# KiCad board !HDMI2USB.kicad_pcb (continued)
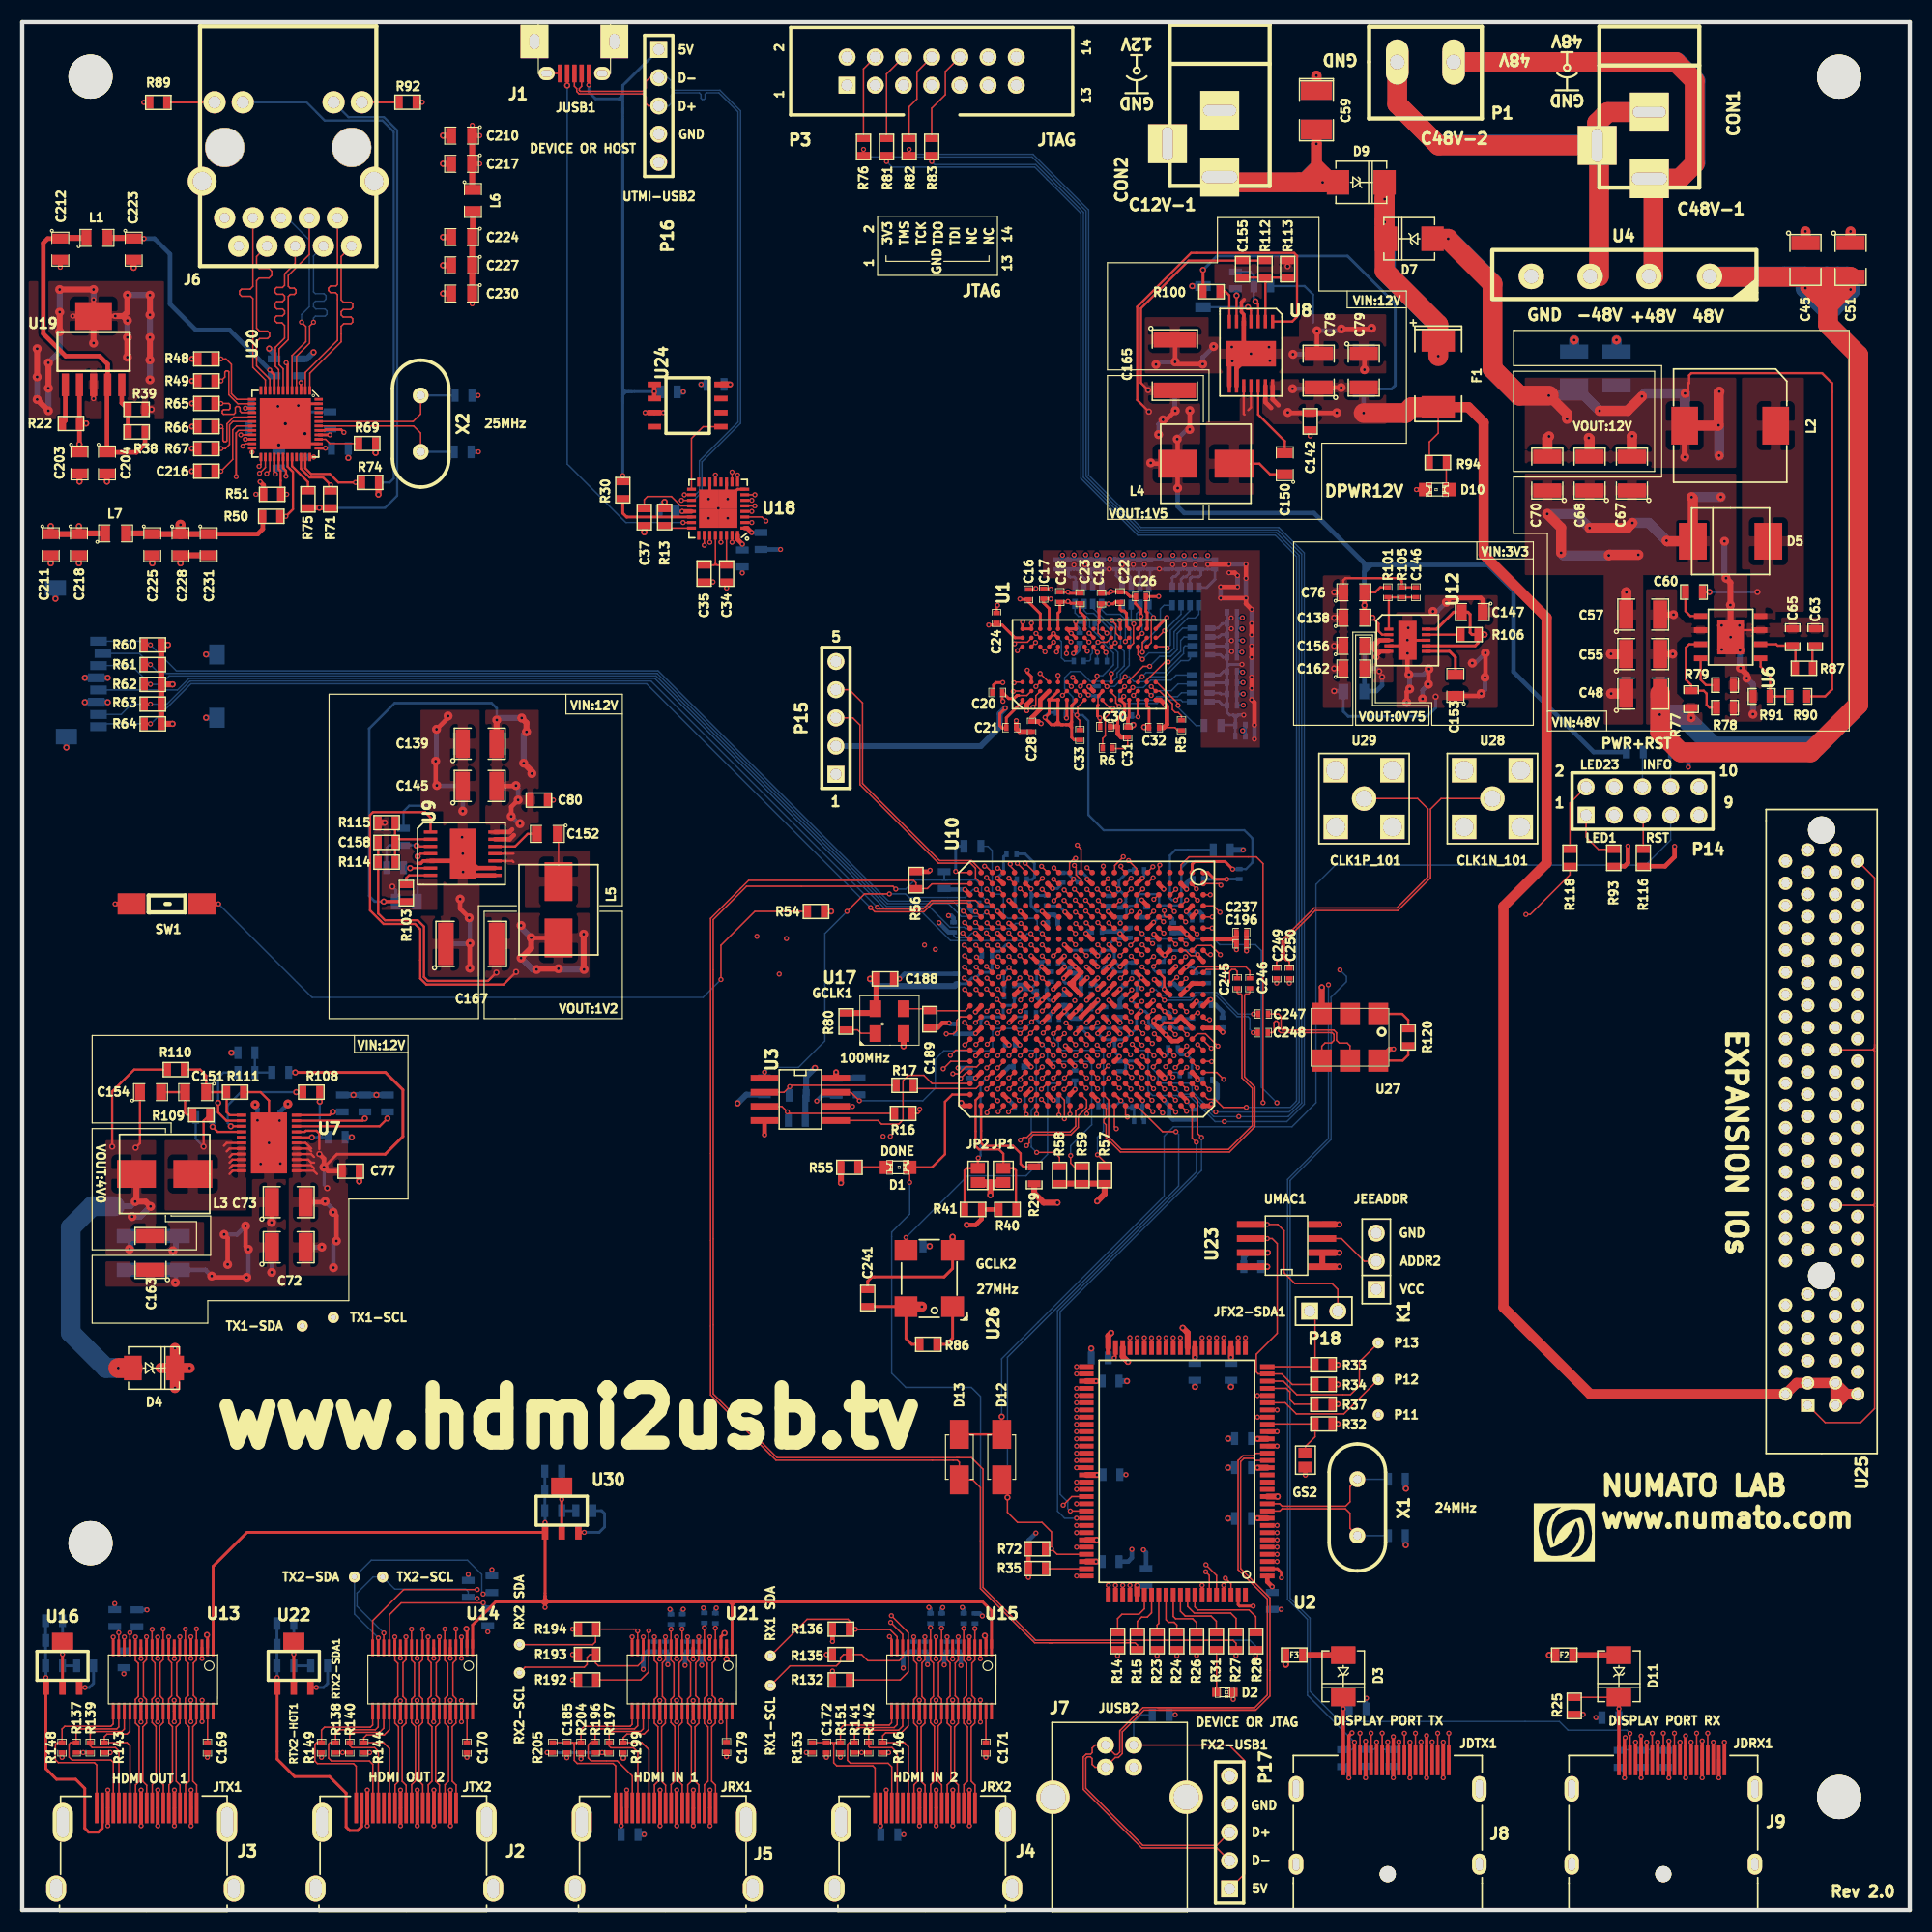
[diagram p0: board, top side]
## Routing (per net, layer and track width the routed paths; a pad name or vN(x,y) marks a point on that pad's centre or on a via; arc(x,y) is an arc through that point) (continued)
  TOP w0.305: v1(144.37,15.5) 144.3,15.44 144.3,13.7 ; 35.64,94.24 35.89,94.24 36.12,94.47 U9.5 ; 110.06,145.04 109.8,144.78 109.8,143.89 110.01,143.68 U8.5 ; v1(119.77,15.93) 119.48,15.65 J8.19 v1(119.48,11.89) ; 60.44,10.78 J5.5 60.44,7.57 ; v1(15.21,7.57) J3.2 15.21,10.78 ; 124.98,15.09 J8.8 v1(124.98,11.89) ; 38.58,10.78 J2.2 38.58,7.57 ; 35.58,10.78 J2.8 v1(35.58,7.57) ; 83.81,7.57 J4.5 83.81,10.78 ; v1(82.31,7.57) J4.8 82.31,10.78 ; v1(148.3,15.19) J9.11 v1(148.3,11.89) ; v1(127.98,11.89) J8.2 127.98,15.1 ; J4.17 77.81,10.78 ; U21.8 60.43,22.58 ; v1(123.48,15.59) J8.11 v1(123.48,11.89) ; v1(151.3,15.2) J9.5 v1(151.3,11.89) ; 145.8,13.7 145.8,15.64 ; 80.81,10.78 J4.11 80.81,7.57 ; v1(12.21,7.57) J3.8 12.21,10.78 ; J9.16 v1(145.8,11.89) ; v1(126.48,15.68) J8.5 v1(126.48,11.89) ; 37.08,10.78 J2.5 37.08,7.57 ; 10.71,7.58 J3.11 10.71,10.78 ; 13.71,10.78 J3.5 13.71,7.57 ; 34.08,10.78 J2.11 34.08,7.57 ; 120.98,11.89 J8.16 120.98,15.18 ; v1(149.8,11.89) J9.8 149.8,15.66 ; 31.08,7.57 J2.17 31.08,10.78 ; J9.19 v1(144.3,11.89) ; 85.31,10.78 J4.2 v1(85.31,7.57) ; 58.94,10.78 J5.8 58.94,7.57 ; 7.71,10.78 J3.17 7.71,7.58 ; 57.44,10.78 J5.11 57.44,7.58 ; 61.94,10.78 J5.2 61.94,7.57 ; J5.17 54.44,10.78 ; J9.2 152.8,11.89
  TOP w0.406: 100.37,76.41 v1(100.89,75.89) ; C32.1 102.49,106.46 102.81,106.46 103.09,106.74 103.09,108.38 102.51,108.96 U1.T1 ; C31.1 99.39,105.6 98.98,105.6 98.67,105.91 98.67,106.58 98.59,106.58 98.55,106.55 C30.1 ; v1(96.09,110.17) 96.09,110.15 96.47,109.76 U1.J2 ; 102.36,92.36 v1(102.8,91.92) ; U10.H7 v1(98.86,87.92) ; v1(107.09,72.57) 106.93,72.41 106.46,72.41 ; 96.36,76.42 v1(95.94,76.85) ; 98.36,85.41 v1(97.89,84.94) ; 97.37,84.42 97.9,84.95 ; 100.37,89.45 v1(100.67,89.83) ; 105.34,77.42 v1(104.91,76.98) ; 101.43,81.41 v1(101.87,81.87) ; 101.97,83.81 101.97,83.77 102.01,83.77 U10.E11 ; 104.33,80.42 103.94,80.03 ; 102.97,78.8 102.37,79.4 ; 105.36,89.47 v1(105.74,89.85) ; 102.36,87.43 v1(101.92,87.87) ; 104.27,78.42 104.13,78.27 ; 88.36,78.4 v1(88.87,77.89) ; 89.36,80.39 v1(88.89,79.92) ; 86.36,81.37 v1(85.85,80.86) ; 88.36,87.44 v1(87.85,87.95) ; 89.36,90.42 v1(88.87,90.9) ; 94.4,83.42 95.4,84.41 ; 93.88,84.89 93.45,84.46 ; 95.34,82.42 94.86,82.9 ; 94.86,82.9 94.33,83.43 ; 94.86,82.9 95.1,82.65 ; 94.86,82.9 94.69,83.06 94.69,83.7 ; 93.37,80.42 v1(93.86,80.9) ; 94.36,81.39 93.84,80.87 ; 93.36,82.4 v1(92.87,81.9) ; 98.36,79.41 v1(98.87,78.9) ; U10.K14 v1(97.86,79.92) ; 88.36,75.4 v1(87.87,74.9) ; U10.D10 103.89,84.94 v1(103.89,84.96) ; v1(83.48,79.87) 82.88,79.87 82.46,79.45 C189.1 ; v3(84.56,72.67) 84.81,72.42 U10.AB22 ; U10.AA17 85.87,76.92 ; C28.1 89.81,106.11 89.53,106.39 C21.1 ; 90.47,108.55 v1(90.47,107.99) 90.47,108.55 ; 90.47,108.55 U1.B1 ; v1(89.53,107.09) 89.53,106.47 C21.1 ; v2(124.83,115.46) 124.76,115.38 U12.11 ; U12.11 124.76,113.16 v2(124.77,113.15) ; U12.11 v2(124.76,114.35) ; U12.11 124.76,111.38 v2(124.89,111.25) ; v2(124.96,109.95) 124.69,109.69 v2(124.69,108.74) ; v2(126.7,111.75) 126.65,111.7 v2(126.65,110.38) ; v2(128.27,117.76) 128.66,118.15 131.36,118.15 131.55,117.96 C147.1 ; v2(131.4,109.54) 131.18,109.32 C153.1 ; v2(131.74,110.98) 131.78,111.02 v2(131.78,113.19) ; v2(40.33,87.04) 40.31,87.03 v2(40.31,84.8) ; v2(40.26,89.34) 39.44,90.16 v2(39.44,91.03) ; v2(39.71,93.47) 39.68,93.5 v2(39.68,95.12) ; v2(39.68,95.12) 39.68,96.54 v2(39.61,96.6) ; v2(39.68,95.12) 39.03,94.47 U9.5 ; v2(39.68,95.12) 40.98,93.82 U9.9 ; v2(39.68,95.12) 39.68,93.97 40.48,93.17 U9.8 ; v2(37.34,101.26) 37.24,101.37 v2(37.24,103.45) ; v2(37.32,106.32) 38.36,107.36 v2(38.36,107.51) ; v2(21.47,67.17) 22.22,67.92 v2(22.22,69.07) ; v2(22.22,69.07) 23.25,68.04 v2(23.25,67.21) ; v2(22.22,69.07) 22.22,70.12 v2(23.18,71.07) ; v2(22.22,69.07) 22.22,70.06 v2(21.19,71.1) ; v2(17.06,57.07) 17.17,56.97 v2(20.23,56.97) ; v2(20.37,59.49) 20.12,59.74 v2(20.12,61.59) ; v2(18.18,60.82) 18.5,60.5 v2(18.5,58.12) ; v2(22.45,61.91) 22.48,61.94 C73.1 ; v2(112.29,140.74) 111.69,140.14 v2(110.66,140.14) ; v2(110.66,140.14) 111.29,139.51 v2(112.37,139.51) ; v2(110.66,140.14) 110.06,140.75 v2(108.94,140.75) ; v2(110.66,140.14) 110,139.48 v2(108.98,139.48) ; v2(110.66,140.14) 110.01,140.79 U8.5 ; v2(110.66,140.14) 109.36,138.84 ; v2(110.66,140.14) 109.63,140.14 108.71,139.23 U8.8 ; v2(110.66,140.14) 109.36,138.84 ; v2(106.32,139.21) 104.03,139.21 v2(103.83,139.4) 103.83,141.39 C165.1 ; v2(116.61,142.21) 116.61,140.3 C78.2 ; v2(118.81,142.37) 121.47,142.37 v2(121.54,142.44) ; v2(120.88,138.7) 120.88,140.08 C79.1 ; 94.35,77.42 v1(93.96,77.81) ; v1(107.04,81.97) 106.92,81.97 U10.A13 ; 109.36,138.84 U8.9 ; v1(62.7,126.22) 63.53,127.05 v1(63.54,127.05) ; 34.06,16.93 v1(34.06,16.93) ; 35.56,16.95 v1(35.56,16.95) ; v1(148.82,95.77) 148.82,94.84 147.96,93.98 R116.1 ; v1(79.01,83.84) 79.01,83.84 C188.1 ; 104.91,82.96 U10.C12 ; 104.91,82.96 U10.B11 U10.A11 ; 104.91,82.96 v1(104.91,82.96) ; U10.E15 101.92,79.86 v1(101.92,80.11) 102.23,80.42 U10.E14 ; 103.36,78.42 v1(102.99,78.8) ; 104.09,78.23 103.54,78.23 U10.D16 ; U10.B7 104.9,87.88 v1(104.89,87.88) 104.36,88.41 U10.C6 U10.D6 ; U10.M10 94.85,84.93 v1(94.85,84.94) 94.37,85.42 ; C34.2 v1(63.44,119.04) ; R25.2 140.58,17.6 ; U10.A9 105.87,85.91 ; C212.2 v1(3.43,147.94) ; C172.1 72.42,13.74 ; R149.1 26.96,13.73 ; 94.82,73.87 94.36,73.42 ; v3(118.15,118.66) C76.1 ; U10.B15 U10.C14 ; D2.2 109.06,18.96 ; C179.2 v1(63.42,13.78) ; C142.2 v1(116,132.74) ; C21.1 89.54,106.48 ; v1(56.1,134.84) U24.3 v1(57.76,134.84) ; 110.25,86.37 C196.2 C237.2 ; R89.2 v1(10.95,162.78) ; 102.36,73.4 v1(102.83,72.93) ; U10.R5 v1(91.86,89.92) ; C35.2 62.21,119.59 ; U10.M14 95.37,80.42 U10.L13 v1(96.87,81.92) ; C138.1 v3(118.15,116.37) ; C80.2 47.84,99.94 ; R204.1 50.32,13.6 ; 6.43,143.54 v1(6.43,145.02) ; 6.43,143.54 8.39,143.54 ; 6.43,143.54 4.55,143.54 ; C171.2 v1(86.79,13.73) ; 90.38,73.42 v1(90.86,73.9) ; U10.J13 97.86,81.92 ; U10.K12 97.88,82.93 ; U2.65 v1(94.96,39.82) ; U10.R18 92.85,75.93 ; C156.1 v3(118.15,113.83) ; U10.L11 v1(96.86,83.91) ; R151.1 73.69,13.73 ; U10.L9 96.85,84.93 ; U10.J11 v1(97.88,82.93) ; C185.1 49.05,13.7 ; U3.4 66.86,69.8 ; U2.21 113.02,43.07 ; C170.2 v1(40.05,13.73) ; R148.1 3.59,13.73 ; C169.2 v1(16.68,13.73) ; D10.2 v1(125.56,127.91) ; U2.19 v1(113.02,41.77) ; SW1.2 v1(8.37,90.59) ; U19.3 v1(6.43,136.09) ; C162.1 v3(118.15,111.8) C162.1
  TOP w0.533: v2(154.65,115.67) 153.86,114.88 v2(153.86,114.62) ; v2(153.86,114.62) 153.86,114.87 v2(153.06,115.67) ; v2(153.86,114.62) 153.86,114.28 v2(154.71,113.44) ; v2(153.86,114.62) 153.86,114.3 v2(153.07,113.51) ; v2(153.86,114.62) 153.86,117.49 v2(153.85,117.51) 153.85,119.53 v2(153.45,119.93) ; v2(154.74,111.83) 155.32,111.25 v2(155.32,110.93) ; v1(24.86,135.47) 23.7,134.31 v3(23.7,133.84) 23.7,134.74 v1(23.03,135.41) ; v3(31.83,131.22) 31.83,131.22 R69.2 ; v3(104.52,52.41) 104.96,51.97 U2.39 ; v3(99.59,49.36) 99.11,49.84 U2.48 ; 87.2,65.51 JP2.2 86.69,65.51 87.2,65 ; 87.2,65.51 JP1.2 87.74,65.51 87.23,65 87.2,65 ; 87.2,65.51 87.2,65 ; 87.2,65 87.2,64.38 ; v3(93.24,63.69) 91.99,63.69 91.14,64.54 R29.1 ; v2(9.47,145.42) 9.47,143.89 9.12,143.54 v1(8.39,143.54) 9.07,143.54 v2(9.47,143.13) ; v2(11.51,145.42) v2(11.51,143.64) ; v2(11.51,141.61) v2(11.51,139.58) ; v2(9.47,141.61) v2(9.47,139.83) ; v2(6.43,145.93) v2(3.38,145.93) ; v2(3.38,143.89) v2(3.38,142.12) ; v2(2.36,139.32) v2(2.36,137.04) ; v2(2.36,135) v2(1.35,136.02) ; v2(1.35,138.05) v2(1.35,140.59) ; U17.2 v3(79.38,77.78) ; C223.2 v3(10.04,147.89) ; C227.2 v3(37.9,148.11) ; U2.75 96.76,33.32 ; U27.3 v3(117.04,83.08) ; U10.U7 89.86,87.92 ; v3(112.18,59.19) U23.7 ; 6.43,143.54 v2(6.43,141.1) ; R74.2 32.08,127.47 ; C203.2 v3(5.16,128.63) ; 118.62,57.91 U23.1 U23.2 118.62,59.19 ; C224.2 v3(37.9,150.65) ; C210.2 v3(37.9,159.79) ; v3(14.25,121.27) C228.2 C231.2 ; C217.2 v3(37.9,157.25) ; C211.2 v3(2.57,121.27) ; C77.1 v3(30.35,65.6) ; U23.4 v3(118.62,61.72) ; U2.12 113.07,37.22 ; R39.1 v3(11.66,135.13) ; C216.1 15.28,129.57 ; C37.1 v3(56.02,124.06) ; C218.2 5.11,121.27 ; C204.2 v3(7.63,128.63) ; R48.1 15.28,139.68 ; v3(57.86,126.79) R13.1 ; C225.2 v3(11.71,121.27) ; U26.2 83.79,60.6 ; C230.2 v3(37.91,145.57) ; R32.2 v1(118.5,43.76) ; R115.2 32.65,97.91 ; R37.2 118.5,45.54 ; U2.50 97.81,51.7 v3(98.07,51.96)
  TOP w0.914: v2(148.1,123.3) 148.15,123.25 D5.1 150.46,127.12 v2(150.35,127.23) ; v2(145.02,124.9) 144.57,124.45 v2(141.16,124.45) ; v2(137.35,125.72) 138.6,124.47 v2(138.6,122.21) ; v2(142.89,121.98) 142.94,122.03 v2(145.56,122.03) ; v2(143.09,113.11) 143.1,113.09 C55.1 ; v2(144.47,118.66) 144.46,118.65 C57.1 ; v2(143.11,109.54) 143.11,109.54 C48.1 ; 116.56,165.19 C59.1 ; C45.1 v2(160.6,151.16) ; C51.1 164.67,151.15
  BOTTOM w0.127: v1(100.49,107.45) 100.46,107.41 100.46,107.42 100.08,107.42 R11.1 ; 94.88,116.04 v1(94.87,116) 94.87,116.04 ; v1(92.87,114.94) 92.82,114.99 93.6,114.21 93.6,112.76 93.89,112.47 R12.2 ; 98.77,91.89 v1(98.75,91.91) ; 107.09,72.63 v1(107.09,72.57) ; 101.43,89.53 101.37,89.48 ; 100.66,89.82 v1(100.67,89.83)
  BOTTOM w0.203: 36.63,99.44 34.85,99.44 34.34,98.93 C141.1 ; 116.25,142.94 116.25,145.48 115.49,146.24 C137.1 ; v1(88.87,84.86) 88.41,84.4 88.41,83.59 88.44,83.56 C97.1 ; C226.2 v3(25.46,132.95) ; C229.2 v3(23.11,131.92)
  BOTTOM w0.229: C90.2 90.11,80.42 89.4,80.42 v1(88.89,79.92) ; v1(90.86,73.9) 90.29,73.33 C243.1 ; C193.2 107.04,81.55 v1(107.04,81.97) ; C200.2 105.64,83.46 C195.2 ; v1(104.91,76.98) 105.34,76.55 105.34,75.38 C108.1 ; v1(94.82,73.88) 94.82,74.68 C116.1 ; v3(33.34,92.15) 33.65,91.84 C144.1 ; C118.1 100.14,72.1 C114.1 99.57,72.26 v1(98.95,72.88) 98.47,72.4 C110.1
  BOTTOM w0.254: v1(92.12,107.39) 92.14,107.41 92.14,107.51 92.46,107.83 C29.1 ; v1(96.09,110.17) 96.11,110.18 96.13,110.2 C27.1 ; 94.71,92.83 95.01,92.53 C84.2 ; 93.83,93.42 C82.2 94.11,93.4 v1(94.68,92.83) ; 90.89,91.93 90.89,91.95 v1(90.86,91.95) ; 98.72,91.87 98.72,91.72 98.31,91.31 C94.2 ; 98.94,72.87 v1(98.95,72.88) 98.92,72.9 ; 90.89,73.87 v1(90.86,73.9) 90.79,73.9 ; 94.87,73.92 v1(94.82,73.88) 94.19,73.25 C242.1 ; 102.82,72.94 v1(102.83,72.93) ; v1(100.89,75.89) 100.33,76.44 99.71,76.44 99.38,76.11 99.38,75.74 99.16,75.52 C125.1 ; 95.24,115.01 95.24,115.34 94.87,115.71 94.87,116.04 ; C180.2 110.12,106.86 110.16,106.82 110.16,106.18 ; 94.16,121.63 94.2,121.67 ; 96.29,121.67 96.3,121.66 ; 98.53,121.66 98.56,121.64 ; 101.58,121.64 101.6,121.65 102.42,121.65 ; 102.42,121.65 103.09,121.65 C3.2 103.61,121.63 ; 102.42,121.65 102.42,121.97 v1(102.41,121.98) ; 104.11,121.65 104.12,121.66 ; 106.18,121.66 106.2,121.64 ; 107.47,121.64 C14.2 ; C14.2 106.77,121.63 ; C14.2 107.4,121.65 ; 105.66,121.93 v1(105.63,121.96) 105.63,121.63 ; C186.2 109.36,112.69 109.39,112.73 109.39,113.3 ; C207.2 109.38,110.58 109.39,110.6 C182.2 109.85,111.53 v1(109.92,111.46) ; C207.2 109.39,109.36 109.38,109.35 C184.2 ; C207.2 109.94,110.51 v1(109.95,110.53) ; C184.2 109.39,108.38 109.38,108.37 C209.2 109.96,108.48 v1(109.97,108.49) ; C184.2 v1(109.97,109.5) ; 110.16,106.18 109.92,106.18 v1(109.92,106.19) ; 110.16,106.18 C12.2 ; 109.39,113.3 109.81,113.3 v1(109.85,113.27) ; 109.39,113.3 C176.2 109.37,113.73 109.39,113.75 109.39,114.34 ; 109.39,114.34 C174.2 109.36,114.87 109.39,114.91 109.39,115.44 ; 109.39,114.34 109.87,114.34 v1(109.92,114.3) ; 109.39,115.44 C10.2 109.41,115.84 109.39,115.86 109.39,116.35 ; 109.39,115.44 109.78,115.44 v1(109.86,115.36) ; 109.39,116.35 109.88,116.35 v1(109.89,116.37) ; 109.39,116.35 C15.2 ; C123.1 104.09,77.22 104.33,76.98 v1(104.91,76.98) ; C93.1 92.28,83.23 C89.1 92.28,82.13 92.5,81.9 v1(92.87,81.9) ; v1(105.87,86.03) 105.5,86.39 103.53,86.39 C194.2 ; C87.1 93.73,85.31 93.88,85.16 v1(93.88,84.91) ; 106.12,121.66 C13.2 ; C13.2 105.63,121.63 ; C13.2 106.77,121.63 ; R85.1 84.31,95.78 84.07,95.54 v1(84.07,93.52) ; C105.1 86.27,85.8 v1(85.95,85.8) ; 105.63,121.63 C187.2 104.62,121.63 ; 106.77,121.63 106.77,121.64 v1(106.77,121.97) ; 104.62,121.63 C178.2 103.61,121.63 ; 104.62,121.63 104.64,121.65 v1(104.64,121.97) ; 103.61,121.63 103.63,121.66 v1(103.63,121.99) ; 101.08,121.63 C1.2 100.06,121.63 ; 101.08,121.63 C4.2 ; 101.08,121.63 101.07,121.64 v1(101.07,122.05) ; 100.06,121.63 C7.2 99.05,121.63 ; 100.06,121.63 100.01,121.68 v1(100.01,122.02) ; 99.05,121.63 C8.2 98.49,121.67 v1(97.95,121.67) 97.91,121.63 C9.2 96.79,121.63 ; 99.05,121.63 99.07,121.65 v1(99.07,122.02) ; 96.79,121.63 C5.2 95.79,121.63 ; 96.79,121.63 96.78,121.64 v1(96.78,122.03) ; 95.79,121.63 C2.2 94.74,121.63 ; 95.79,121.63 95.78,121.64 v1(95.78,122.02) ; 94.74,121.63 C6.2 93.71,121.63 ; 94.74,121.63 94.73,121.64 v1(94.73,122.02) ; 93.71,121.63 C11.2 ; 93.71,121.63 93.69,121.65 v1(93.69,121.99) ; 99.76,85.32 99.74,85.32 ; 99.76,85.32 99.76,85.32 C119.1 99.59,85.32 99.41,85.14 99.41,84.72 99.15,84.46 98.54,84.46 98.06,84.94 v1(97.89,84.94) ; 99.76,85.32 99.88,85.32 ; v3(127.3,109.26) 127.3,108.24 126.54,107.48 119.42,107.48 118.98,107.92 118.98,109.77 ; v1(24.86,135.47) 25.43,134.91 C232.2 ; 90.86,91.13 90.86,90.44 91.39,89.92 v1(91.86,89.92) ; 90.86,91.13 91.08,91.35 91.14,91.35 ; 90.86,91.13 90.86,91.58 ; 90.86,91.58 91.09,91.35 91.14,91.35 ; 90.86,91.58 v1(90.86,91.95) ; v1(90.86,91.95) 90.47,92.33 C88.2 90.96,92.79 91.17,92.99 91.17,94.26 90.32,95.1 C127.2 ; 91.14,91.35 C92.2 92.28,91.34 ; C192.2 99.4,90.77 99.4,91.26 v1(98.75,91.91) 98.77,91.93 98.77,92.69 99.69,93.61 C102.2 ; C113.2 108.5,92.83 ; C86.2 108.44,92.81 ; C198.2 C199.2 103.81,79.37 103.29,79.89 102.85,79.89 102.73,80.02 C109.1 ; C97.1 C103.1
  BOTTOM w0.305: v1(121.06,19.05) 121.03,19.02 C47.2 ; R47.2 144.3,12.44 v1(144.3,11.89) ; R46.2 145.8,12.7 v1(145.8,11.89) ; R45.2 148.3,12.59 v1(148.3,11.89) ; R44.2 119.48,12.41 v1(119.48,11.89)
  BOTTOM w0.406: v1(97.86,79.92) 97.52,80.27 C122.2 ; v1(94.85,84.94) 94.5,84.94 94.29,84.73 94.29,84.37 ; C126.2 97.45,84.74 97.64,84.94 v1(97.89,84.94) ; C107.1 83.57,79.78 v1(83.48,79.87) ; C213.1 106.27,89.64 106.06,89.85 v1(105.74,89.85) ; v1(101.92,80.11) 102.12,80.31 C109.1 ; v1(85.87,89.9) 85.6,89.9 85.29,90.21 C115.1 ; v1(83.43,89.54) 83.66,89.54 83.88,89.32 C101.1 ; v1(97.86,81.92) 98.47,81.31 C128.2 98.85,81.93 C236.2 ; C221.2 96.87,81.82 v1(96.87,81.92) ; 93.86,81.47 v1(93.86,80.9) ; v1(93.86,80.9) 93.39,80.43 ; v1(93.86,80.9) 94.49,80.27 C83.1 ; C129.2 95.05,84.36 95.36,84.04 95.36,83.33 ; C98.2 100.78,89.38 100.67,89.48 v1(100.67,89.83) ; 99.1,88.15 99.29,88.34 99.73,88.34 ; 99.1,88.15 99.06,88.12 98.24,88.12 ; 99.1,88.15 v1(98.86,87.92) 98.67,88.12 98.24,88.12 ; 98.24,88.12 C96.2 ; v2(124.83,115.46) 124.76,115.38 v2(124.76,114.35) 124.77,114.34 v2(124.77,113.15) ; v2(124.96,109.95) 124.96,111.18 v2(124.89,111.25) 126.21,111.25 v2(126.7,111.75) ; v2(126.65,110.38) 126.12,109.85 v2(126.12,109.06) ; v2(128.27,117.76) 127.45,116.94 v2(127.06,116.94) ; v2(131.4,109.54) 131.74,109.88 v2(131.74,110.98) ; v2(131.78,113.19) 130.87,112.28 v2(130.6,112.28) ; v2(40.26,89.34) 40.33,89.27 v2(40.33,87.04) 40.27,86.99 C167.1 ; v2(39.71,93.47) 39.71,95.09 v2(39.68,95.12) 39.68,96.54 v2(39.61,96.6) ; v2(37.34,101.26) 37.39,101.21 C145.1 v2(39.68,98.95) ; v2(37.24,103.45) 37.32,103.52 v2(37.32,106.32) ; v2(22.22,69.07) 21.47,68.31 v2(21.47,67.17) ; v2(22.22,69.07) 22.22,70.06 v2(21.19,71.1) 21.19,72.13 20.98,72.34 v2(20.98,72.52) ; v2(22.22,69.07) 22.22,70.12 v2(23.18,71.07) 23.18,71.83 v2(23.93,72.58) ; v2(22.22,69.07) 23.25,68.04 v2(23.25,67.21) ; v2(13.79,56.49) 13.84,56.54 C160.1 16.5,57.64 v2(17.06,57.07) ; v2(20.23,56.97) 20.37,57.11 v2(20.37,59.49) ; v2(20.12,61.59) 19.36,60.82 v2(18.18,60.82) ; v2(22.47,57.41) 22.48,57.42 C72.1 ; v2(110.66,140.14) 111.26,140.74 v2(112.29,140.74) ; v2(110.66,140.14) 111.29,139.51 v2(112.37,139.51) ; v2(110.66,140.14) 110.06,140.75 v2(108.94,140.75) ; v2(110.66,140.14) 110,139.48 v2(108.98,139.48) ; v2(103.83,139.4) 102.34,139.4 v2(102.11,139.17) ; v2(106.32,139.21) 106.32,139.81 v2(107.3,140.79) ; v2(116.61,142.21) 118.65,142.21 v2(118.81,142.37) ; v2(114.45,140.09) 116.71,140.09 C78.2 ; v1(87.87,74.9) 88.9,75.93 C132.1 ; v1(100.98,32.42) 101.22,32.18 C42.2 ; v1(99.94,32.46) 99.94,31.7 99.6,31.36 C39.2 ; R44.2 119.48,12.41 v1(119.48,11.89) ; R43.2 120.98,12.84 v1(120.98,11.89) ; R42.2 123.48,12.77 v1(123.48,11.89) ; C193.2 107.47,81.51 108.12,80.86 C191.2 ; v1(102.83,72.93) 103.29,72.47 103.29,71.52 103.64,71.17 C112.1 ; v1(107.09,72.57) 107.65,73.13 107.65,74.26 C111.1 ; C117.1 96.48,85.3 v1(96.85,84.92) ; v1(71.56,72.84) 72.08,73.36 C36.1 ; v1(79.01,83.84) 79.46,84.29 C91.1 ; v1(91.29,33.93) 90.63,33.27 C46.2 ; v1(94.87,116) 95.6,116 R7.1 ; v1(91.86,89.92) 92.17,89.61 92.96,89.61 93.26,89.31 C95.1 ; C222.2 21.05,127.48 ; C214.2 v3(29.37,130.76) ; C238.2 41.08,131.31 ; v1(104.89,87.88) 104.79,87.98 C120.1 ; C40.2 99.41,39.19 ; v3(118.15,113.83) C156.1 ; v1(88.87,77.89) 88.54,77.89 ; R84.1 v1(79.4,6.77) ; 118.98,109.77 v3(118.15,109.77) ; C197.2 103.76,83.39 104.19,82.96 v1(104.91,82.96) 105.41,83.46 C200.2 ; C201.2 64.85,120.4 ; C44.2 v1(113.38,27.06) ; C235.2 v1(41.06,136.39) ; C49.2 141.73,17.31 ; v3(118.15,116.37) C138.1 ; v1(61.82,125.33) 61.82,125.34 ; R119.2 v1(150.06,102.91) ; v3(118.15,111.8) C162.1 ; v1(103.89,84.96) 103.81,84.96 ; C131.2 95.34,83.31 ; C190.1 v1(68.3,122.52) ; C85.1 v1(84.28,75.82) ; R36.1 103.84,17.57 ; C76.1 v3(118.15,118.66)
  BOTTOM w0.533: v2(153.86,114.62) 154.65,115.41 v2(154.65,115.67) ; v2(153.86,114.62) 153.86,114.87 v2(153.06,115.67) ; v2(153.86,114.62) 153.86,114.3 v2(153.07,113.51) ; v2(153.86,114.62) 153.86,114.28 v2(154.71,113.44) 154.71,111.87 v2(154.74,111.83) ; v2(155.32,110.93) 155.87,110.38 v2(155.87,107.67) ; v2(153.45,119.93) 153.31,120.06 v2(153.31,123.24) ; C219.2 22.16,133.65 C220.2 22.25,135.41 v1(23.03,135.41) 23.7,134.74 v3(23.7,133.84) 23.7,134.31 v1(24.86,135.47) ; v3(22.24,140.6) 22.68,140.16 C234.2 ; v3(26.24,140.27) 25.64,139.68 C233.2 ; v3(57.86,126.79) 57.36,126.3 C202.2 ; v3(112.18,59.19) 110.4,59.19 110.02,58.81 C239.2 ; v2(9.47,145.42) v2(11.51,145.42) ; v2(11.51,143.64) v2(11.51,141.61) ; v2(11.51,137.8) v2(11.51,139.58) ; v2(9.47,143.13) v2(9.47,141.61) ; v2(3.38,145.93) v2(3.38,143.89) ; v2(2.36,139.32) 3.38,140.34 v2(3.38,142.12) ; v2(2.36,137.04) v2(2.36,135) ; v2(1.35,136.02) v2(1.35,138.05) ; v3(124.6,32.85) 124.56,32.89 C64.2 ; v3(124.62,37.93) 124.56,37.99 C62.1 ; C148.1 v3(29.68,69.57) ; U11.11 v3(16.56,113.06) ; U11.9 v3(3.98,104.68) ; v1(6.43,145.02) v2(6.43,145.93) ; C244.1 81.73,59.77 ; 7.7,108.76 U11.6 v3(5.64,108.76) ; C38.2 v1(61.14,137.38) ; C54.2 v3(108.61,42.44) ; C143.1 105.37,146.24 ; R96.2 18.84,77.19 ; C66.2 105.61,47.1 ; C240.2 v1(59.54,136.71) ; U11.10 2.99,118.08 ; R107.1 v3(31.9,73.38) R98.2 v3(29.83,73.38) R99.2 ; C58.2 v3(108.86,47.1) ; C43.2 99.5,47.62 ; C53.2 108.6,39.82 ; C52.2 v3(108.6,35.25) ; C41.2 v3(96.28,50.56) ; R88.1 v1(56.01,6.78) ; R53.2 109.96,95.46 ; U11.12 v3(16.56,107.36)
  BOTTOM w0.914: v2(148.1,123.3) 146.5,124.9 v2(145.02,124.9) ; v2(141.16,124.45) 139.89,125.72 v2(137.35,125.72) ; v2(138.6,122.21) 138.82,121.98 v2(142.89,121.98) ; v2(150.35,127.23) 150.37,127.24 v2(152.98,127.24) ; v2(160.6,151.16) C45.1 ; C61.1 116.56,165.19 ; C69.1 v2(143.59,141.38) ; C71.1 v2(139.78,141.38)
  vias: v1(3.59,13.73) v1(4.55,143.54) v1(7.71,10.78) v1(7.71,7.57) v1(10.69,18.85) v1(10.7,16.92) v1(10.7,22.63) v1(10.71,10.78) v1(10.71,7.57) v1(12.19,24.55) v1(12.18,18.86) v1(12.2,22.64) v1(12.21,10.78) v1(13.68,18.86) v1(13.7,22.62) v1(13.7,16.94) v1(13.71,10.78) v1(13.71,7.57) v1(15.19,24.58) v1(15.19,18.87) v1(15.19,16.94) v1(15.28,139.68) v1(15.28,129.57) v1(15.2,22.65) v1(15.21,10.78) v1(16.19,22.63) v1(16.19,16.95) v1(16.2,18.87) v1(21.04,127.48) v1(26.95,13.73) v1(31.08,10.78) v1(31.07,7.57) v1(34.07,22.67) v1(34.06,18.82) v1(34.08,10.78) v1(34.08,7.57) v1(35.56,22.66) v1(35.56,18.85) v1(35.58,10.78) v1(37.07,22.66) v1(37.06,18.85) v1(37.08,10.78) v1(37.08,7.57) v1(38.57,22.66) v1(38.57,18.86) v1(38.56,16.93) v1(38.58,10.78) v1(38.58,7.57) v1(39.56,24.56) v1(39.56,22.65) v1(39.56,18.84) v1(39.56,16.93) v1(41.08,131.31) v1(47.85,99.94) v1(49.05,13.69) v1(50.32,13.6) v1(54.44,10.78) v1(57.42,22.58) v1(57.42,18.84) v1(57.43,16.92) v1(57.44,10.78) v1(57.44,7.57) v1(58.93,24.57) v1(58.94,22.61) v1(58.93,18.85) v1(58.94,16.94) v1(58.95,10.78) v1(58.95,7.57) v1(60.42,18.84) v1(60.43,16.93) v1(60.44,10.78) v1(60.44,7.57) v1(61.93,24.58) v1(61.93,22.62) v1(61.93,18.85) v1(61.93,16.93) v1(61.95,10.78) v1(61.95,7.57) v1(62.21,119.59) v1(62.93,18.86) v1(62.93,16.93) v1(63.54,125.33) v1(64.85,120.4) v1(66.86,69.79) v1(72.43,13.73) v1(73.69,13.73) v1(77.81,10.78) v1(80.8,22.57) v1(80.8,18.86) v1(80.8,16.91) v1(80.81,10.78) v1(80.81,7.57) v1(82.3,24.58) v1(82.3,22.61) v1(82.3,18.88) v1(82.3,16.94) v1(82.31,10.78) v1(83.8,18.88) v1(83.8,16.91) v1(83.8,22.58) v1(83.81,10.78) v1(83.81,7.57) v1(85.3,24.58) v1(85.3,22.61) v1(85.3,18.88) v1(85.3,16.91) v1(85.31,10.78) v1(86.3,22.61) v1(86.3,18.88) v1(86.3,16.91) v1(89.86,87.92) v1(92.85,75.93) v1(99.41,39.19) v1(103.84,17.57) v1(109.07,18.96) v1(109.97,95.46) v1(110.26,86.36) v1(113.02,43.07) v1(118.51,45.54) v1(120.98,15.18) v1(124.98,15.1) v1(127.98,15.1) v1(140.58,17.6) v1(141.73,17.31) v1(145.8,15.64) v1(149.8,15.66) v1(152.8,11.89) v2(116.56,165.19) v2(164.67,151.16) v3(2.99,118.07) v3(5.11,121.27) v3(7.7,108.75) v3(18.83,77.19) v3(32.08,127.47) v3(32.65,97.91) v3(81.73,59.77) v3(83.79,60.6) v3(87.19,64.37) v3(96.76,33.31) v3(99.5,47.62) v3(105.37,146.24) v3(105.62,47.1) v3(108.6,39.82) v3(113.07,37.22) v3(118.62,59.18) v3(118.62,57.92)
VCC1V2: length 131.9
  TOP w0.127: 93.29,83.4 U10.P11 ; 45.86,87.52 v2(45.83,87.55)
  TOP w0.203: v3(42.71,84.41) 41.95,83.66 36.53,83.66 36.19,84 36.19,88.55 35.61,89.12 32.67,89.12 32.06,89.73 R114.1 C158.1 ; v3(44.48,84.46) 43.34,83.33 36.4,83.33 35.85,83.87 35.85,88.3 35.37,88.79 32.55,88.79 31.33,90.01 31.33,98.59 31.59,98.85 36.29,98.85 36.78,98.37 U9.1
  TOP w0.229: U10.E10 102.85,83.93 v1(102.85,82.9)
  TOP w0.254: U10.D14 102.88,80.88 ; U10.E13 102.88,80.88
  TOP w0.406: 104.82,84.92 104.34,84.43 ; 103.34,82.42 v1(102.85,82.9) ; 94.31,84.42 93.81,83.91 ; 95.39,83.42 v1(95.92,83.94) ; 93.38,85.42 v1(93.85,85.89) ; 92.36,80.41 v1(91.87,79.91) ; v1(92.85,80.91) 93.36,81.41 ; U10.J14 v1(98.87,79.91) ; 96.36,80.41 v1(95.86,79.91) ; v1(94.87,80.93) 94.36,80.42 U10.N14 ; U10.D8 102.93,85.98 v1(102.9,85.98) 102.8,85.98 U10.E8 ; v1(108.13,79.03) 107.74,79.42 U10.A15 ; 109.08,87.42 109.35,87.69 C237.1 C196.1 ; 109.08,87.42 109.35,87.14 C196.1 ; 109.08,87.42 U10.A7 ; U10.B9 104.86,84.91 v1(104.82,84.91) ; U10.J8 97.86,86.92 ; C196.1 v1(109.35,86.47) ; U10.M9 v1(94.86,85.92) ; U10.K13 v1(96.87,80.91) ; U10.J12 98.86,82.92 ; U10.M13 94.88,80.93 ; U10.B13 v1(105.77,81.82) ; U10.L12 v1(95.87,81.92) ; U10.K9 97.86,85.91 ; U10.P11 v1(92.86,82.91) ; U10.J10 v1(97.87,83.92) ; U10.N12 93.87,82.91 ; L5.2 45.86,87.52 ; U10.K11 96.87,82.92 ; U10.L10 v1(95.86,84.92)
  TOP w0.533: v2(44.93,85.72) 45.83,86.62 v2(45.83,87.55) ; v2(46.33,84.69) 46.4,84.76 v2(48.29,84.76) ; v2(50.6,84.69) 50.56,84.72 v2(50.56,87.87)
  PWR w0.406: v1(102.9,85.98) 103.31,86.39 105.33,86.39 105.86,86.91 108.91,86.91 v1(109.35,86.47)
  PWR w0.533: v1(105.77,81.82) 106.46,81.12 107.48,81.12 108.13,80.48 v1(108.13,79.03)
  BOTTOM w0.203: v1(102.9,85.98) 102.9,85.62 R68.1 ; C195.1 106.77,84.36 C200.1
  BOTTOM w0.229: v1(105.77,81.82) 106.07,81.51 C193.1
  BOTTOM w0.254: v1(102.9,85.98) 102.58,85.98 102.4,86.16 C194.1 ; C129.1 93.94,83.46 93.81,83.59 v1(93.81,83.89) ; v1(97.86,86.92) 98.39,87.44 99.73,87.44 ; C90.1 91.31,80.25 91.65,79.91 v1(91.87,79.91) ; C200.1 105.63,84.72 105.44,84.91 v1(104.82,84.91) ; C198.1 C199.1 103.58,80.27 103.41,80.44 103.41,80.73 103.23,80.91 v1(102.88,80.91)
  BOTTOM w0.406: C122.1 97.26,81.31 v1(96.87,80.91) ; C128.1 98.85,79.93 v1(98.87,79.91) ; C131.1 96.24,82.29 v1(95.87,81.92) ; v1(96.87,82.92) 96.87,83.11 96.64,83.33 96.26,83.33 ; C126.1 97.86,85.88 v1(97.86,85.92) ; v1(98.86,82.92) 99.23,83.28 C236.1 ; C221.1 95.16,81.22 v1(94.87,80.93) ; C215.1 93.86,82.91 v1(93.86,82.91) ; C197.1 102.85,83.05 v1(102.85,82.9) ; v1(92.85,80.91) 92.49,80.54 C121.1 ; 108.12,79.03 v1(108.13,79.03) 108.13,79.46 C191.1
  BOTTOM w0.533: v2(45.83,87.55) 44.93,88.45 v2(44.93,88.65) ; v2(44.93,85.72) 45.96,84.69 v2(46.33,84.69) ; v2(48.29,84.76) 48.36,84.69 v2(50.6,84.69)
